# KiCad board serial-usbc-dip-7seg-clk.kicad_pcb
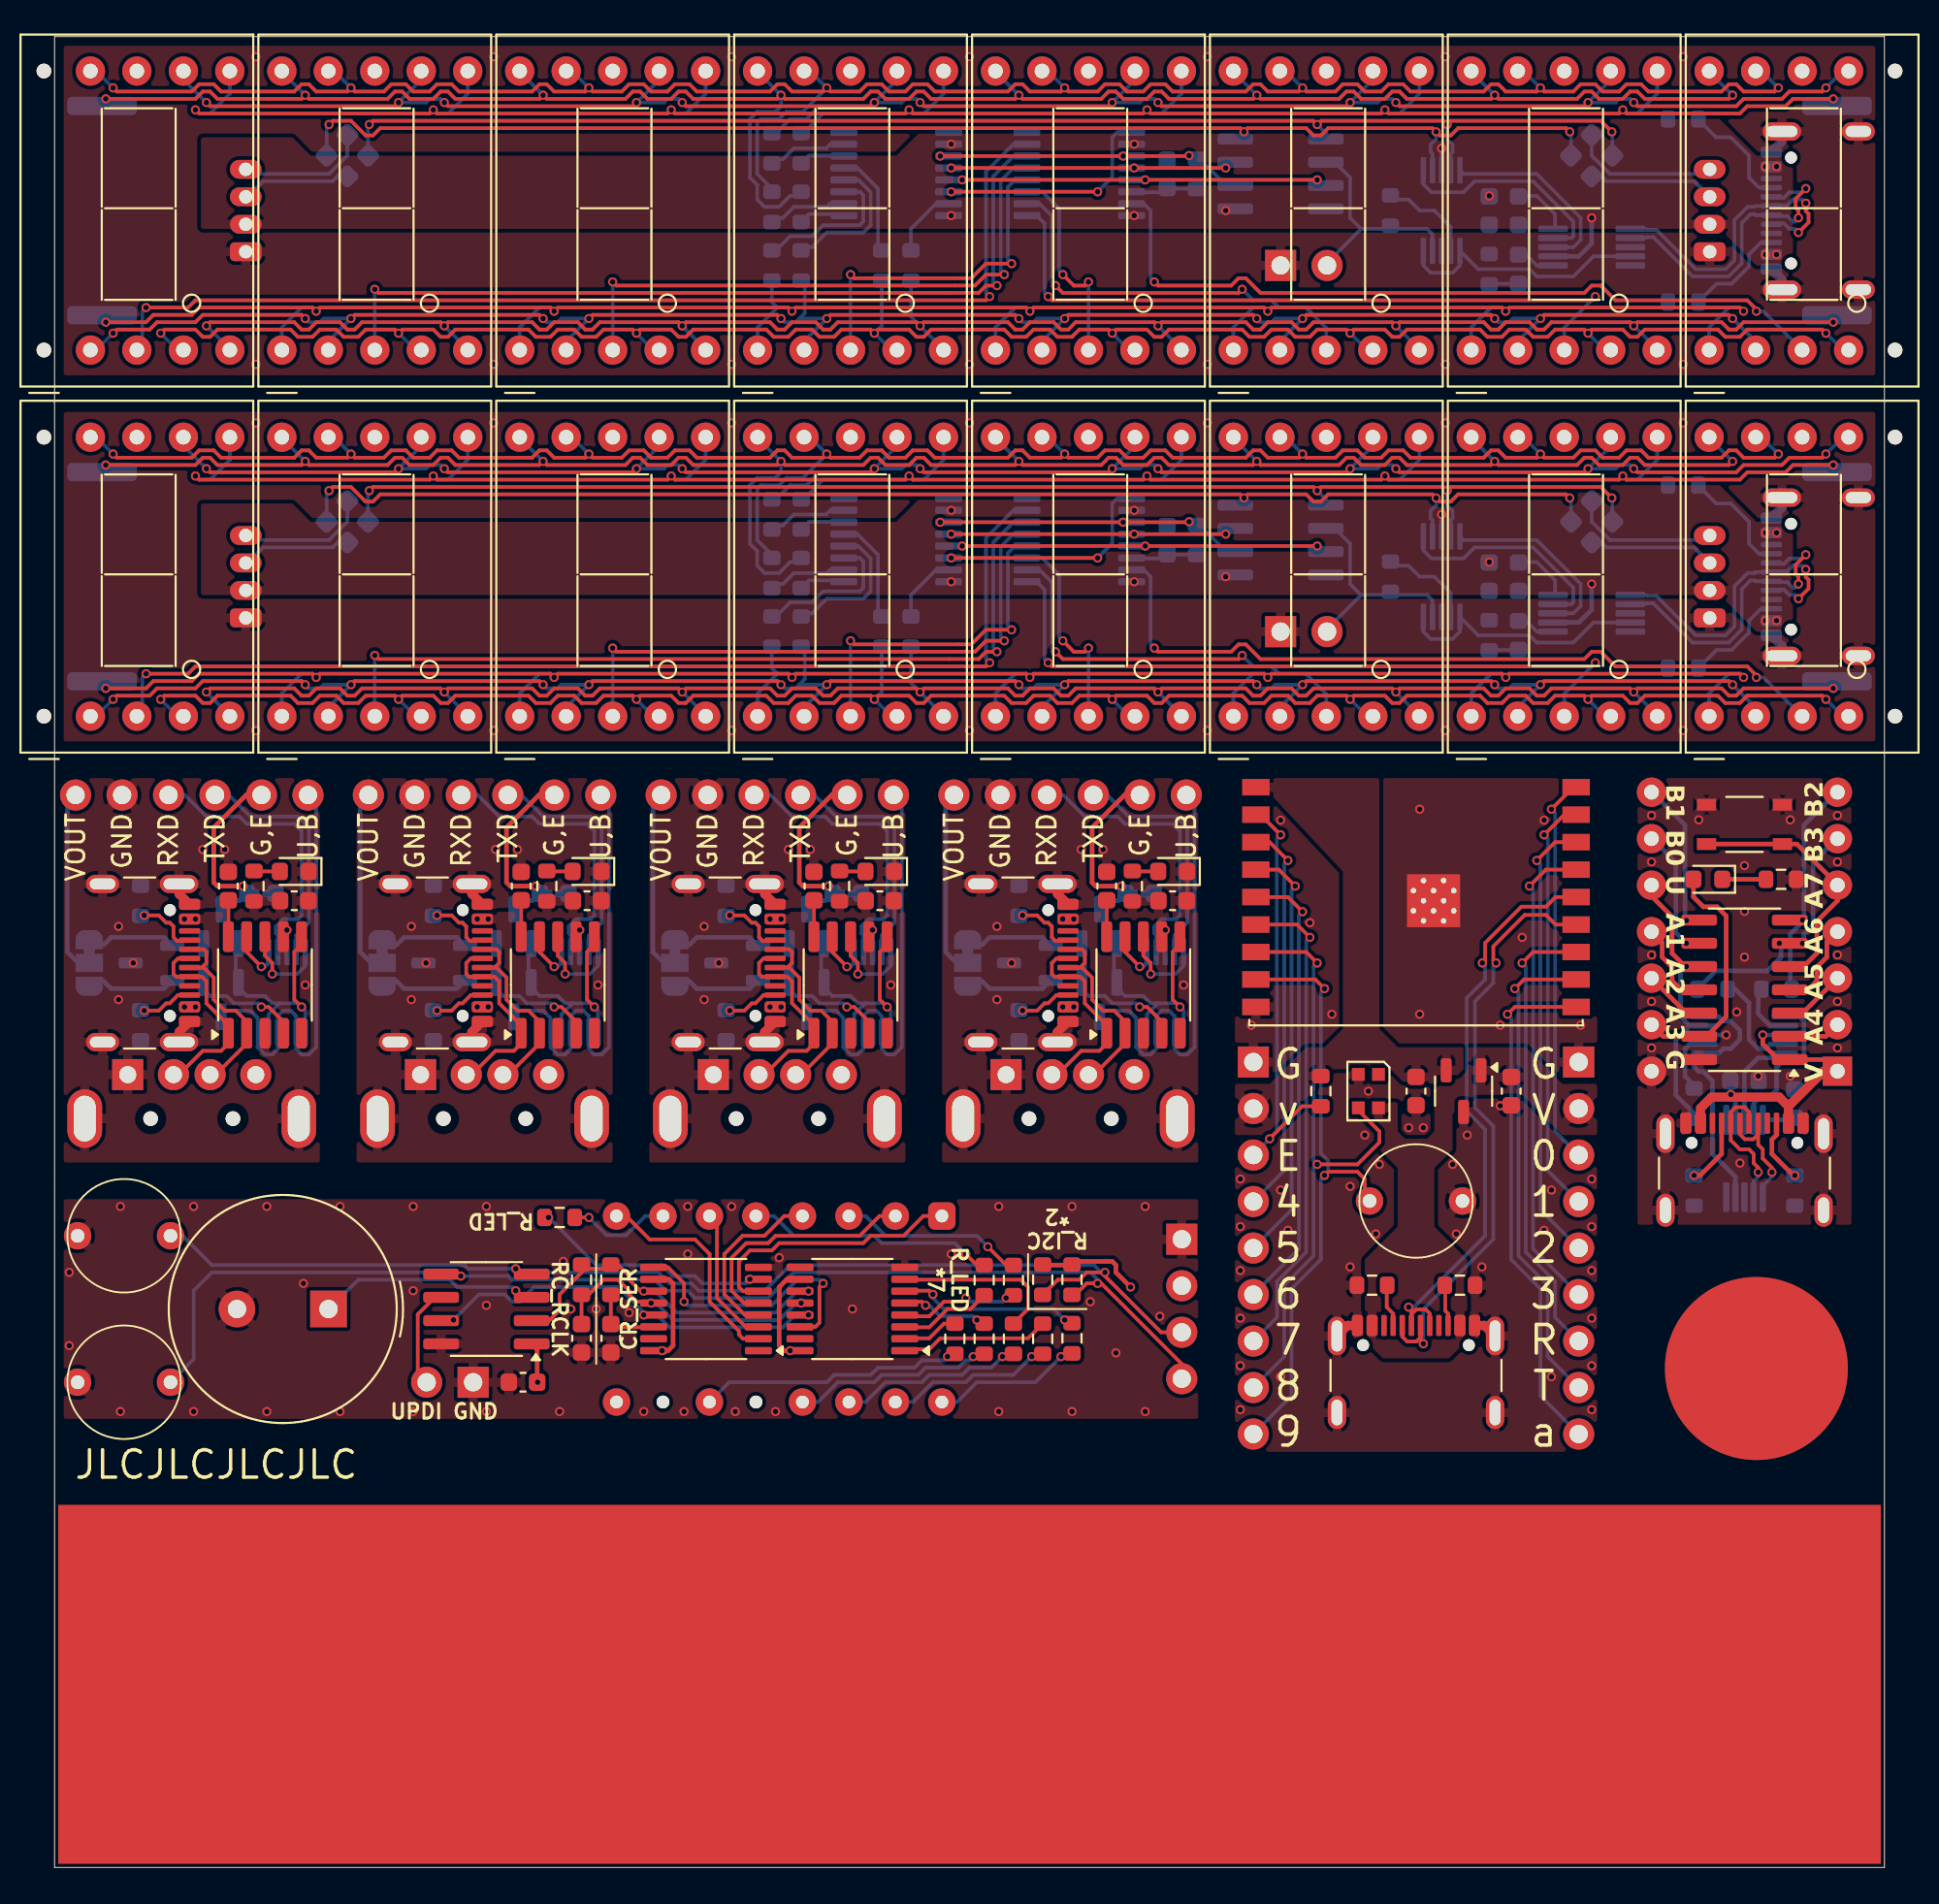
[diagram p0: board, top side]
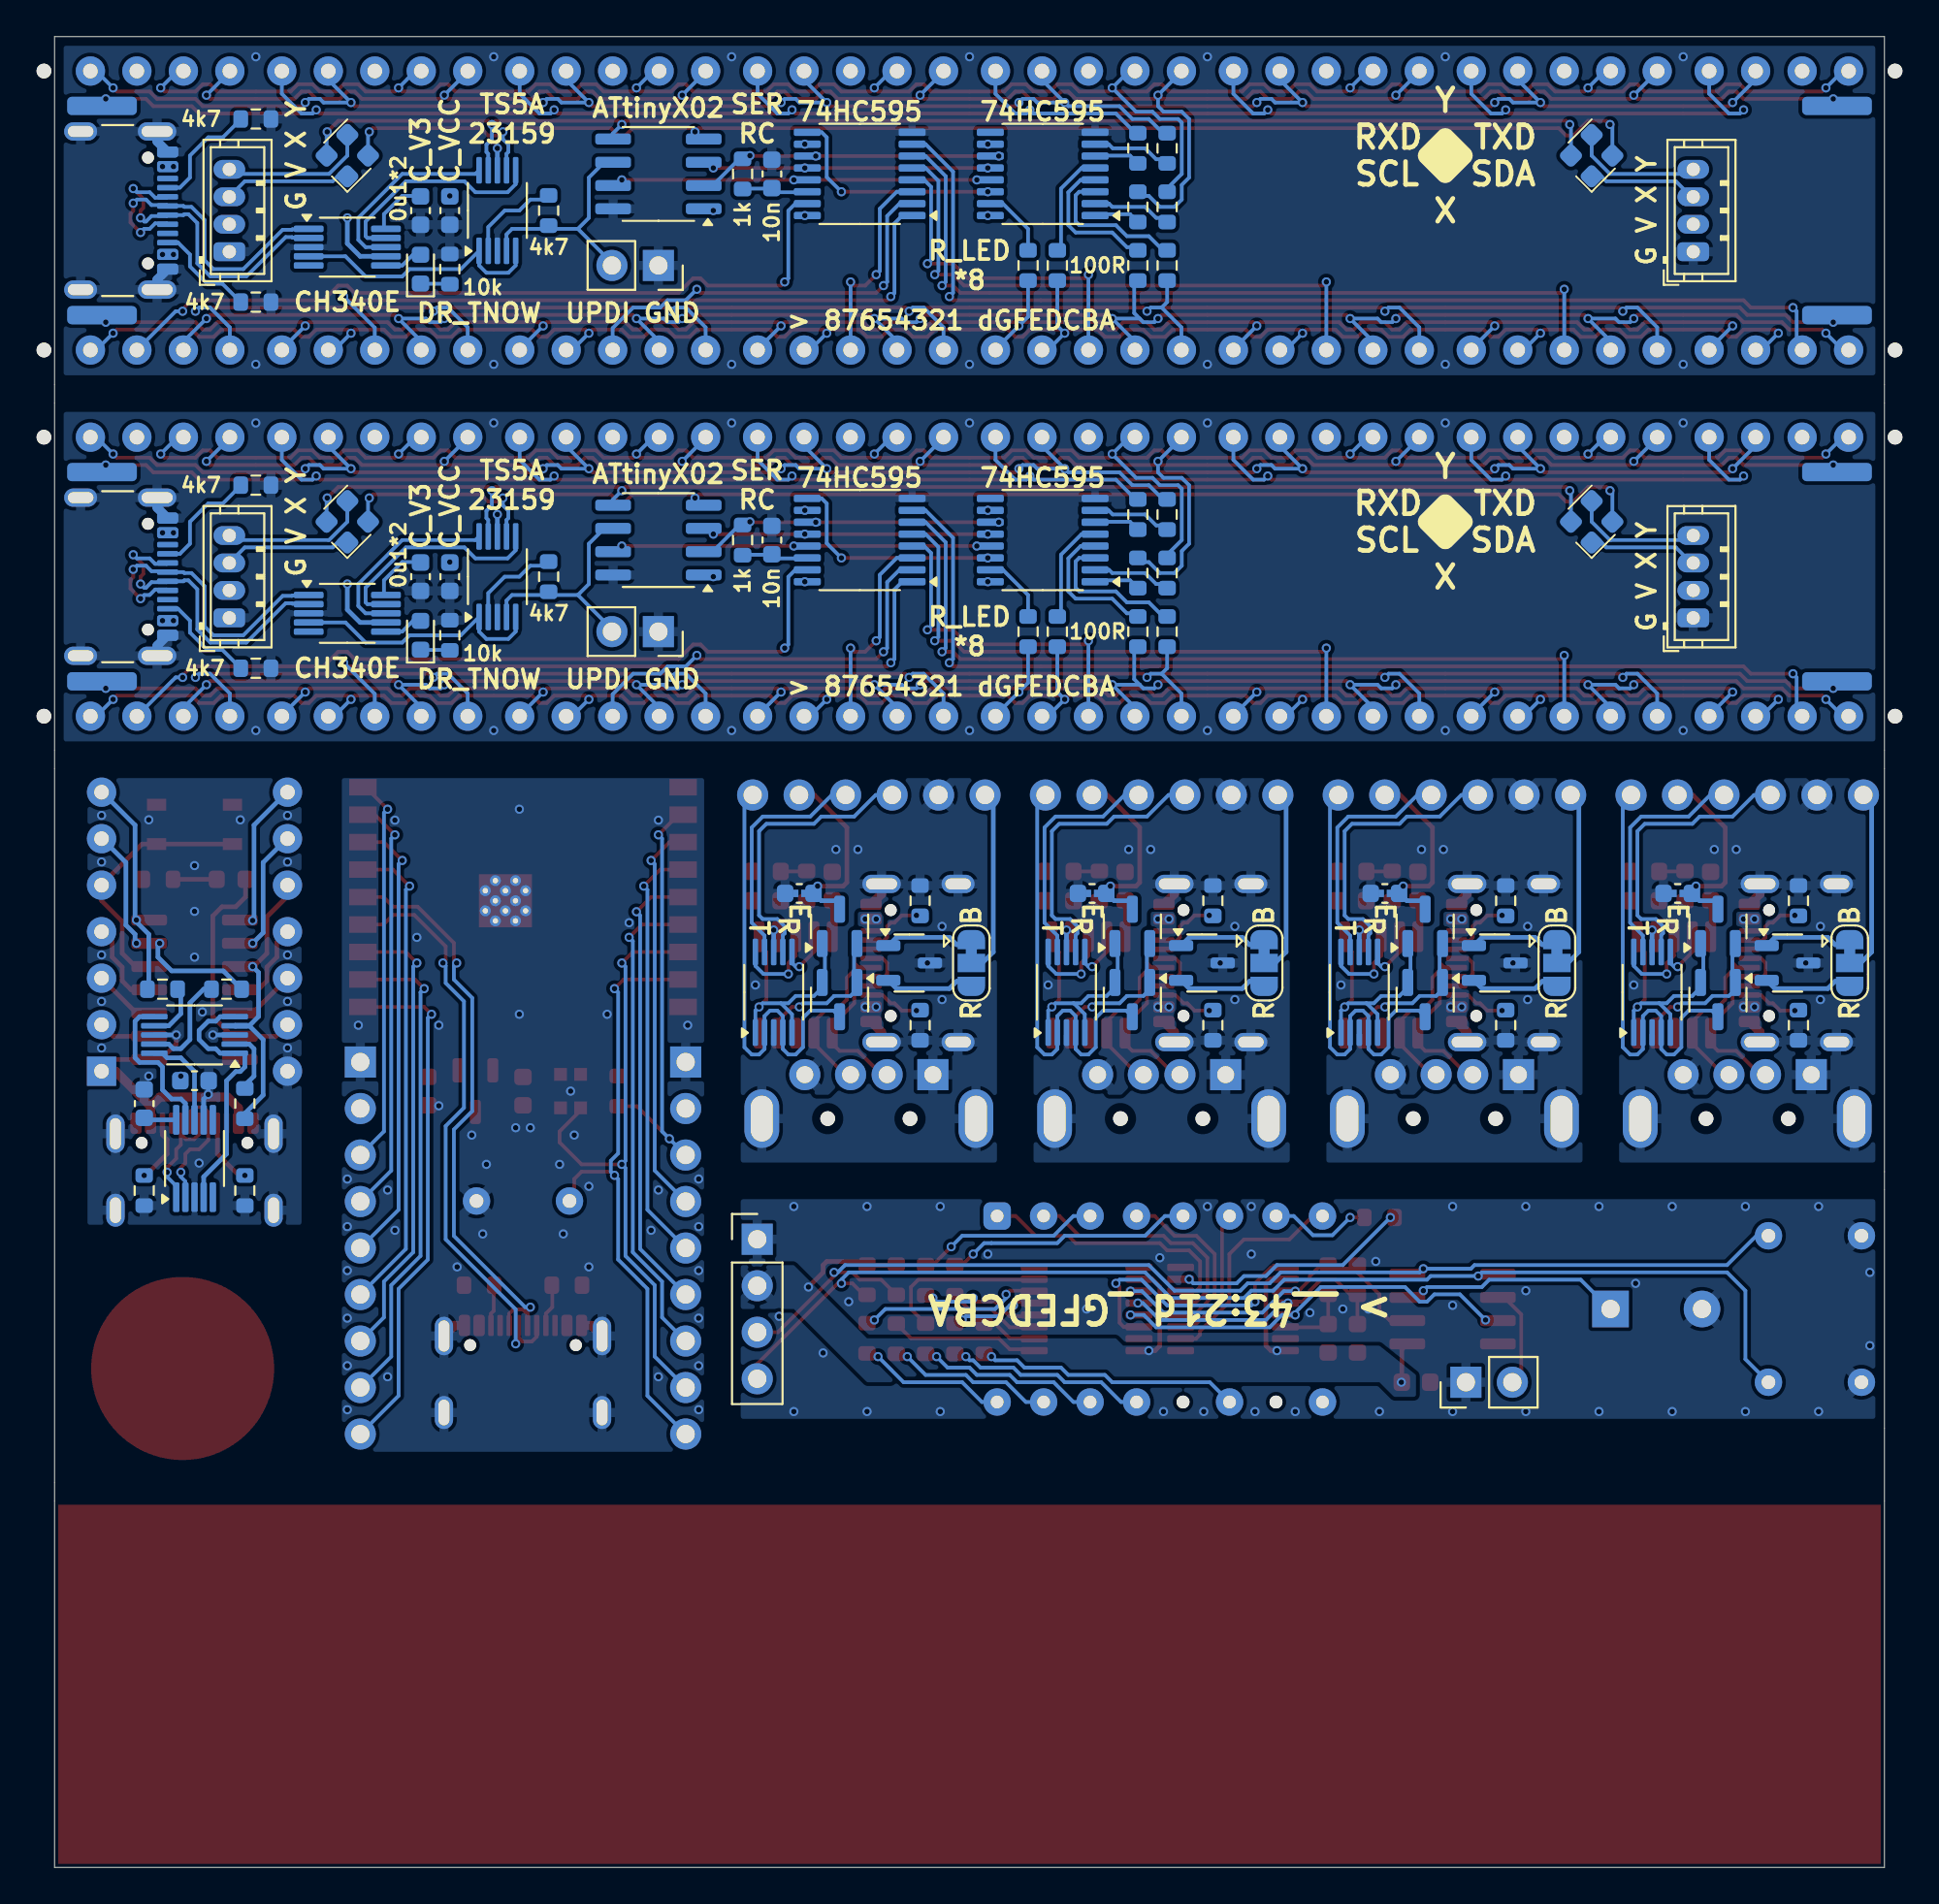
[diagram p1: board, bottom side, seen from below]

Outline 100 x 100 mm; copper layers: Top, Bottom. Coordinates in mm from the lower left corner of the outline.
Outline path: 0,100 0,0 100,0 100,100 0,100

## Placement (name value [footprint] x y rotation side)
BZ1  Buzzer  [Buzzer_TDK_PS1240P02BT_D12.2mm_H6.5mm]  14.97 30.5 180 top
C1  C_RCLK  [C_0603_1608Metric]  28.8 28.9 270 top
C1#2  0u1  [C_0603_1608Metric]  13.1 52.8 0 top
C1#3  0u1  [C_0603_1608Metric]  45.1 52.8 0 top
C1#4  0u1  [C_0603_1608Metric]  29.1 52.8 0 top
C1#5  0u1  [C_0603_1608Metric]  61.1 52.8 0 top
C1#6  1u  [C_0603_1608Metric]  79.6 42.4 270 top
C1#7  4u7  [C_0603_1608Metric]  92.35 42.97 0 bottom
C1#8  10n  [C_0603_1608Metric]  60.8 92.5 90 bottom
C1#9  10n  [C_0603_1608Metric]  60.8 72.5 90 bottom
C2  C_SER  [C_0603_1608Metric]  30.4 28.9 270 top
C2#2  0u1  [C_0603_1608Metric]  9.5 53.6 90 top
C2#3  0u1  [C_0603_1608Metric]  57.5 53.6 90 top
C2#4  0u1  [C_0603_1608Metric]  25.5 53.6 90 top
C2#5  0u1  [C_0603_1608Metric]  41.5 53.6 90 top
C2#6  1u  [C_0603_1608Metric]  74.4 42.4 270 top
C2#7  1u  [C_0603_1608Metric]  78.4 70.5 270 bottom
C2#8  1u  [C_0603_1608Metric]  78.4 90.5 270 bottom
C3  1u  [C_0603_1608Metric]  25.6 26.5 180 top
C3#2  0u1_short  [C_0603_1608Metric]  27.3 53.2 0 bottom
C3#3  0u1_short  [C_0603_1608Metric]  43.3 53.2 0 bottom
C3#4  0u1  [C_0603_1608Metric]  80 90.5 90 bottom
C3#5  0u1  [C_0603_1608Metric]  80 70.5 90 bottom
C3#6  0u1  [C_0603_1608Metric]  95.1 41.72 90 bottom
C3#7  0u1_short  [C_0603_1608Metric]  59.3 53.2 0 bottom
C3#8  0u1_short  [C_0603_1608Metric]  11.3 53.2 0 bottom
D1  WS2812B-2020  [LED_WS2812B-2020_PLCC4_2.0x2.0mm]  71.8 42.4 270 top
D1#2  POWER  [LED_0603_1608Metric]  13.1 54.4 180 top
D1#3  POWER  [LED_0603_1608Metric]  29.1 54.4 180 top
D1#4  LED  [LED_0603_1608Metric]  90.35 53.97 180 top
D1#5  POWER  [LED_0603_1608Metric]  45.1 54.4 180 top
D1#6  POWER  [LED_0603_1608Metric]  61.1 54.4 180 top
D3  LED_TNOW  [LED_0603_1608Metric]  80 87.3 90 bottom
D3#2  LED_TNOW  [LED_0603_1608Metric]  80 67.3 90 bottom
G***  -  [LOGO]  33 70.5 180 bottom
G***#2  -  [LOGO]  33 90.5 180 bottom
G***#3  -  [LOGO]  11.6 27.5 0 bottom
G***#4  -  [LOGO]  91.1 50.72 0 bottom
G***#5  -  [LOGO]  74.4 53.4 180 bottom
J1  USB_A  [USB_A_PLUG_USB-4AM103AS]  55.5 38 270 top
J1#2  USB_C_Receptacle_USB2.0_16P  [USB_C_Receptacle_GCT_USB4105-xx-A_16P_TopMnt_Horizontal]  92.35 36.97 0 top
J1#3  USB_A  [USB_A_PLUG_USB-4AM103AS]  39.5 38 270 top
J1#4  USB_A  [USB_A_PLUG_USB-4AM103AS]  23.5 38 270 top
J1#5  USB_A  [USB_A_PLUG_USB-4AM103AS]  7.5 38 270 top
J1#6  USB_C_Receptacle_USB2.0_16P  [USB_C_Receptacle_GCT_USB4105-xx-A_16P_TopMnt_Horizontal]  74.4 25.92 0 top
J1#7  Conn_01x02_Pin  [PinHeader_1x02_P2.54mm_Vertical]  22.88 26.5 90 bottom
J1#8  UART  [PinSocket_1x02_P2.54mm_Vertical]  67 87.5 270 bottom
J1#9  UART  [PinSocket_1x02_P2.54mm_Vertical]  67 67.5 270 bottom
J2  USB_C_Receptacle_USB2.0_16P  [USB_C_Receptacle_GCT_USB4105-xx-A_16P_TopMnt_Horizontal]  3.7 49.4 270 top
J2#2  Conn_02x07_Counter_Clockwise  [DIP-14_W10.16mm]  97.43 43.49 180 top
J2#3  USB_C_Receptacle_USB2.0_16P  [USB_C_Receptacle_GCT_USB4105-xx-A_16P_TopMnt_Horizontal]  51.7 49.4 270 top
J2#4  USB_C_Receptacle_USB2.0_16P  [USB_C_Receptacle_GCT_USB4105-xx-A_16P_TopMnt_Horizontal]  35.7 49.4 270 top
J2#5  USB_C_Receptacle_USB2.0_16P  [USB_C_Receptacle_GCT_USB4105-xx-A_16P_TopMnt_Horizontal]  19.7 49.4 270 top
J2#6  Conn_01x04_Pin  [PinHeader_1x04_P2.54mm_Vertical]  61.6 34.31 180 bottom
J2#7  COMM  [JST_ZH_B4B-ZR_1x04_P1.50mm_Vertical]  90.45 68.25 90 bottom
J2#8  COMM  [JST_ZH_B4B-ZR_1x04_P1.50mm_Vertical]  90.45 88.25 90 bottom
J2#9  OUT1  [PinHeader_1x09_P2.54mm_Vertical]  65.51 43.99 180 bottom
J3  OUT  [PinSocket_1x06_P2.54mm_Vertical]  45.85 58.58 270 top
J3#2  OUT  [PinSocket_1x06_P2.54mm_Vertical]  13.85 58.58 270 top
J3#3  OUT  [PinSocket_1x06_P2.54mm_Vertical]  61.85 58.58 270 top
J3#4  OUT  [PinSocket_1x06_P2.54mm_Vertical]  29.85 58.58 270 top
J3#5  COMM  [JST_ZH_B4B-ZR_1x04_P1.50mm_Vertical]  10.45 68.25 90 bottom
J3#6  OUT2  [PinHeader_1x09_P2.54mm_Vertical]  83.29 43.99 180 bottom
J3#7  COMM  [JST_ZH_B4B-ZR_1x04_P1.50mm_Vertical]  10.45 88.25 90 bottom
J4  USB_C_Receptacle_USB2.0_16P  [USB_C_Receptacle_GCT_USB4105-xx-A_16P_TopMnt_Horizontal]  97.5 90.5 270 bottom
J4#2  USB_C_Receptacle_USB2.0_16P  [USB_C_Receptacle_GCT_USB4105-xx-A_16P_TopMnt_Horizontal]  97.5 70.5 270 bottom
JP1  pokayoke  [pokayoke_1608]  84 73.5 45 bottom
JP1#2  pokayoke  [pokayoke_1608]  84 93.5 45 bottom
JP2  pokayoke  [pokayoke_1608]  16 93.5 45 bottom
JP2#2  pokayoke  [pokayoke_1608]  16 73.5 45 bottom
JP3  VOUT  [SolderJumper-3_P1.3mm_Bridged12_RoundedPad1.0x1.5mm]  17.9 49.4 270 bottom
JP3#2  VOUT  [SolderJumper-3_P1.3mm_Bridged12_RoundedPad1.0x1.5mm]  1.9 49.4 270 bottom
JP3#3  VOUT  [SolderJumper-3_P1.3mm_Bridged12_RoundedPad1.0x1.5mm]  49.9 49.4 270 bottom
JP3#4  VOUT  [SolderJumper-3_P1.3mm_Bridged12_RoundedPad1.0x1.5mm]  33.9 49.4 270 bottom
NOREF  LOGO  [mcbeeringi_icon_10mm]  94 14 0 top
NOREF#2  LOGO  [mcbeeringi_icon_10mm]  93 27.25 0 top
NOREF#3  -  [PCB.MCBEERINGI.DEV_small]  85 14 0 top
NOREF#4  mcbeeringi_icon  [mcbeeringi_icon_5mm]  19.5 56 0 bottom
NOREF#5  -  [PCB.MCBEERINGI.DEV_small]  73.2 44.4 180 bottom
NOREF#6  mcbeeringi_icon  [mcbeeringi_icon_5mm]  51.5 56 0 bottom
NOREF#7  mcbeeringi_icon  [mcbeeringi_icon_5mm]  3.5 56 0 bottom
NOREF#8  -  [PCB.MCBEERINGI.DEV_small]  3.6 30.5 0 bottom
NOREF#9  -  [PCB.MCBEERINGI.DEV_small]  4 90.5 180 bottom
NOREF#10  -  [PCB.MCBEERINGI.DEV_small]  92.35 54.72 0 bottom
NOREF#11  -  [PCB.MCBEERINGI.DEV_small]  4 70.5 180 bottom
NOREF#12  mcbeeringi_icon  [mcbeeringi_icon_5mm]  35.5 56 0 bottom
Q1  BSS138  [SOT-23]  25.1 51.4 90 bottom
Q1#2  BSS138  [SOT-23]  57.1 51.4 90 bottom
Q1#3  BSS138  [SOT-23]  9.1 51.4 90 bottom
Q1#4  BSS138  [SOT-23]  41.1 51.4 90 bottom
Q2  BSS138  [SOT-23]  25.1 47.4 270 bottom
Q2#2  BSS138  [SOT-23]  57.1 47.4 270 bottom
Q2#3  BSS138  [SOT-23]  9.1 47.4 270 bottom
Q2#4  BSS138  [SOT-23]  41.1 47.4 270 bottom
R1  10k  [R_0603_1608Metric]  94.35 53.97 0 top
R1#2  10k  [R_0603_1608Metric]  69.2 42.4 270 top
R1#3  1k  [R_0603_1608Metric]  52.4 28.88 270 top
R1#4  5k1  [R_0603_1608Metric]  4.7 52.8 90 bottom
R1#5  100R  [R_0603_1608Metric]  39.2 73.9 90 bottom
R1#6  5k1  [R_0603_1608Metric]  36.7 52.8 90 bottom
R1#7  100R  [R_0603_1608Metric]  39.2 93.9 90 bottom
R1#8  5k1  [R_0603_1608Metric]  52.7 52.8 90 bottom
R1#9  5k1  [R_0603_1608Metric]  20.7 52.8 90 bottom
R2  5.1k  [R_0603_1608Metric]  72 31.8 180 top
R2#2  1k  [R_0603_1608Metric]  55.6 28.9 270 top
R2#3  4.7k  [R_0603_1608Metric]  89.6 41.72 270 bottom
R2#4  5k1  [R_0603_1608Metric]  4.7 46 270 bottom
R2#5  5k1  [R_0603_1608Metric]  36.7 46 270 bottom
R2#6  5k1  [R_0603_1608Metric]  20.7 46 270 bottom
R2#7  100R  [R_0603_1608Metric]  40.8 93.9 90 bottom
R2#8  100R  [R_0603_1608Metric]  40.8 73.9 90 bottom
R2#9  5k1  [R_0603_1608Metric]  52.7 46 270 bottom
R3  10k  [R_0603_1608Metric]  42.9 53.6 90 top
R3#2  10k  [R_0603_1608Metric]  58.9 53.6 90 top
R3#3  10k  [R_0603_1608Metric]  10.9 53.6 90 top
R3#4  5.1k  [R_0603_1608Metric]  76.8 31.8 0 top
R3#5  1k  [R_0603_1608Metric]  50.8 28.88 270 top
R3#6  10k  [R_0603_1608Metric]  26.9 53.6 90 top
R3#7  4.7k  [R_0603_1608Metric]  90.6 47.97 180 bottom
R3#8  100R  [R_0603_1608Metric]  45.2 67.5 270 bottom
R3#9  100R  [R_0603_1608Metric]  45.2 87.5 270 bottom
R4  1k  [R_0603_1608Metric]  52.4 32.08 90 top
R4#2  4.7k  [R_0603_1608Metric]  94.1 47.97 0 bottom
R4#3  100R  [R_0603_1608Metric]  40.8 87.5 270 bottom
R4#4  100R  [R_0603_1608Metric]  40.8 67.5 270 bottom
R5  1k  [R_0603_1608Metric]  50.8 32.08 90 top
R5#2  5k1  [R_0603_1608Metric]  89.6 36.97 90 bottom
R5#3  100R  [R_0603_1608Metric]  39.2 67.5 270 bottom
R5#4  100R  [R_0603_1608Metric]  39.2 87.5 270 bottom
R6  1k  [R_0603_1608Metric]  49.2 28.88 270 top
R6#2  100R  [R_0603_1608Metric]  39.2 90.7 90 bottom
R6#3  100R  [R_0603_1608Metric]  39.2 70.7 90 bottom
R6#4  5k1  [R_0603_1608Metric]  95.1 36.97 270 bottom
R7  1k  [R_0603_1608Metric]  54 28.88 270 top
R7#2  100R  [R_0603_1608Metric]  40.8 70.7 90 bottom
R7#3  100R  [R_0603_1608Metric]  40.8 90.7 90 bottom
R8  1k  [R_0603_1608Metric]  27.6 35.5 0 top
R8#2  100R  [R_0603_1608Metric]  46.8 67.5 270 bottom
R8#3  100R  [R_0603_1608Metric]  46.8 87.5 270 bottom
R9  R_RCLK  [R_0603_1608Metric]  28.8 32.1 270 top
R9#2  1k  [R_0603_1608Metric]  62.4 72.5 90 bottom
R9#3  1k  [R_0603_1608Metric]  62.4 92.5 90 bottom
R10  R_SER  [R_0603_1608Metric]  30.4 32.1 270 top
R10#2  5k1  [R_0603_1608Metric]  89 95.5 180 bottom
R10#3  5k1  [R_0603_1608Metric]  89 75.5 180 bottom
R11  R_I2C  [R_0603_1608Metric]  54 32.1 270 top
R11#2  5k1  [R_0603_1608Metric]  89 85.5 180 bottom